# Altium PCB SmartHaloEE.PcbDoc (part 3 of 3) (continued)
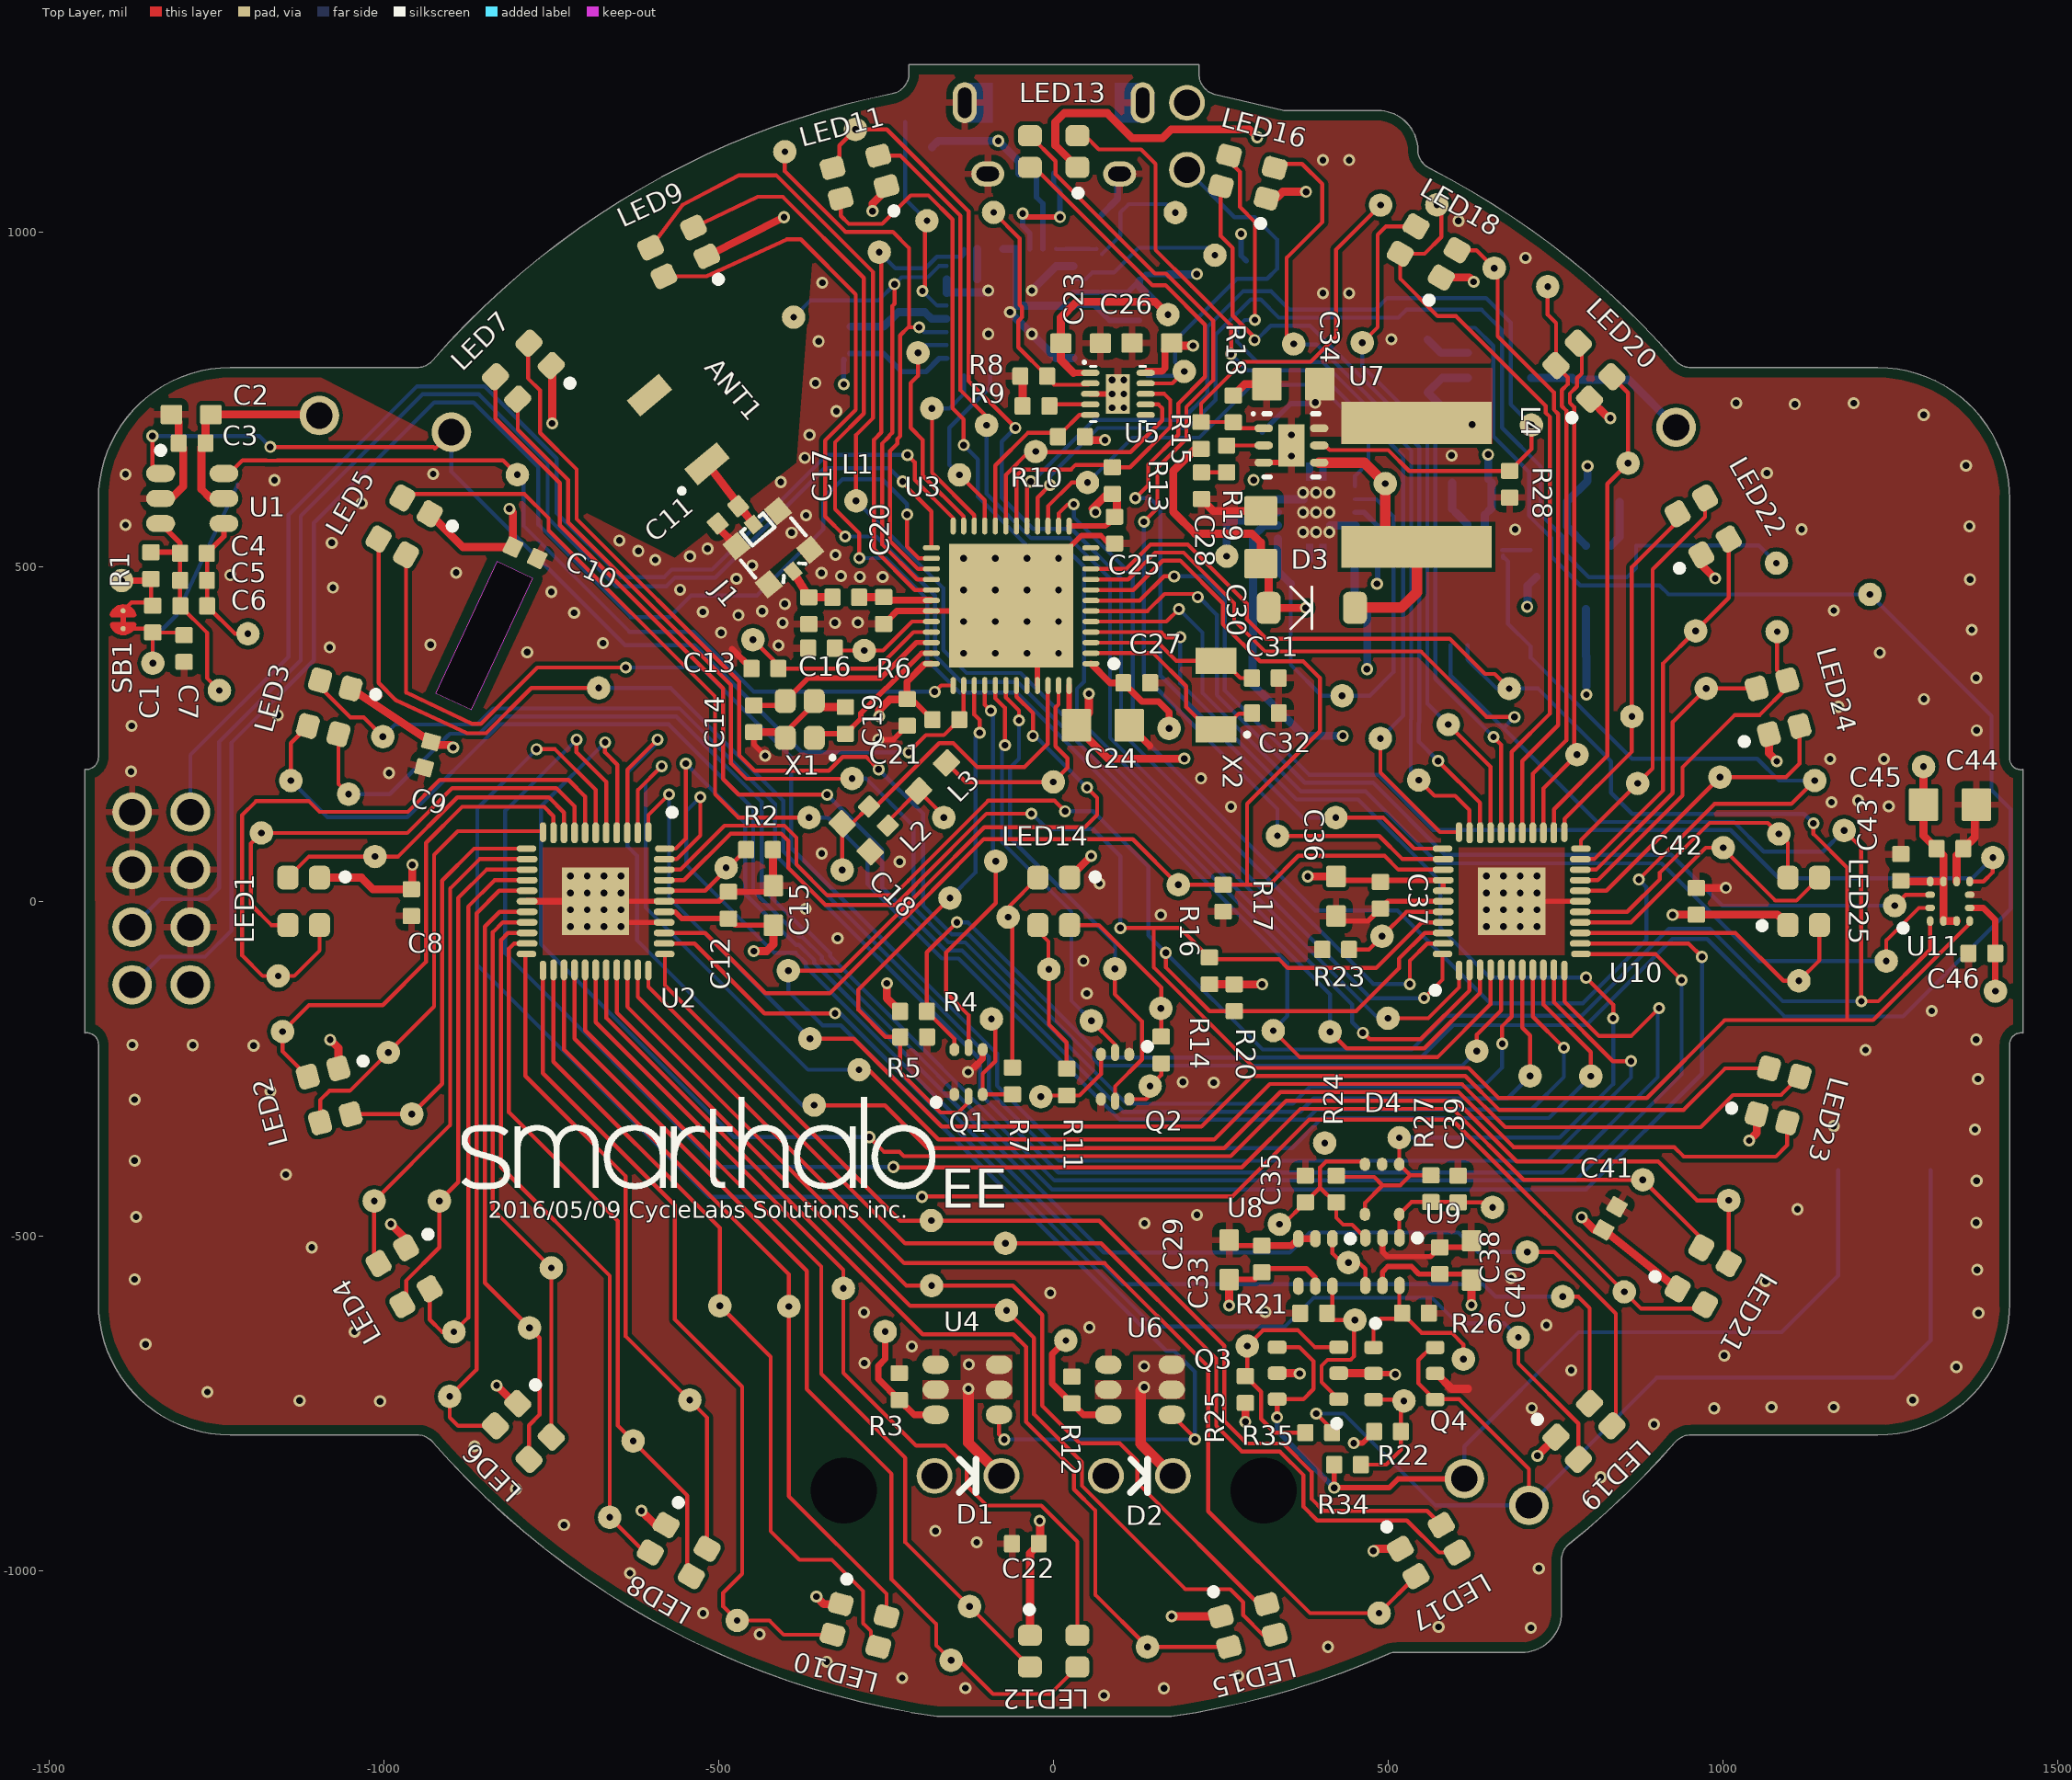
[diagram p0: Top Layer view]
## Nets (pads, with @x,y where several pads share a name; then routed paths per layer and width w, separated by ;. In a path a pad name is that pad's centre, name@x,y a point inside that pad or via, vN(x,y) a via of type N, cw(c..) or ccw(c..) an arc to the next point about the centre after c; other vN are vias at no path point) (continued)
  Power Plane w12: -855.8,644.2 -821.7,678.3 -784.68,678.3 v1(-749.04,713.94) ; v1(-402.7,1021.9) -330.3,1021.9
  Bottom Layer w12: C53.1@297.2,382.7 297.2,323.8 373.8,247.2 v1(431.9,247.2) ; C53.1@297.8,382.7 297.8,545.1 314.02,561.32 U15.2@334.93,561.32 ; U15.10@450.07,541.63 449.4,540.96 449.4,448.6 468.4,429.6 468.4,347.4 v1(467.8,346.8)
  other v1: -21,-925.6 722.5,-828.3 924.4,-20.4 -896.9,229.9
VUSB: C23.1 C56.1 C58.1 J5.1 R32.2 R36.2 TP90.1 U5.1 U16.19 | length 707.6
  Top Layer w10: 29.68,789.5 U5.1@54.66,789.5
  Top Layer w12: 29.68,789.5 10.8,808.38 C23.1@10.8,833.7 10.8,872.4 33.9,895.5 151.5,895.5 TP90.1@168.5,878.5
  Bottom Layer w8: U16.19@29.29,909.53 C58.1@66.51,909.66 ; C58.1@72.93,909.69 110.93,909.83 C56.1@127.9,926.8 137.4,936.3 R32.2@171.9,936.3
  Bottom Layer w12: R36.2@-181.6,1126.8 -172.4,1136 v1(-82.8,1136) -51.18,1104.38 J5.1@-51.18,1087.6 ; C56.1@127.9,926.8 127.9,919.1 TP90.1@168.5,878.5 ; R32.2@171.9,936.3 v1@213.1,936.3
  other v1: 213.7,936.9
W\A\K\E\U\P\: TP106.1 U3.27 U16.3 | length 849.2
  Top Layer w6: TP106.1@-401.5,1119.8 -401.5,1090.53 -310.87,999.9 -240.1,999.9 -215.9,975.7 -215.9,858.9 ; v1(-201.1,857.5) -217.3,857.5 -229.2,845.6 -229.2,694.8 -233.4,690.6 -233.4,683.7 -244.3,672.8 -244.3,538.13 -202.8,496.63 U3.27@-182.62,496.63
  Bottom Layer w6: v1(-201.1,857.5) -194.07,850.47 U16.3@-159.69,850.47
XC_N: C14.1 U3.34 X1.3 | length 294.8
  Top Layer w8: C14.1@-447.83,292.64 X1.3@-407.6,292.64 ; X1.3@-400.98,299.25 -366.74,333.5 -258.1,333.5 -204.95,386.65 U3.34@-182.62,386.65
XC_P: C19.1 U3.35 X1.1 | length 231.9
  Top Layer w8: X1.1@-357.68,244.13 -351.61,250.2 C19.1@-311.12,250.2 -288.12,273.2 -288.12,280.85 -250.37,318.6 -249.59,318.6 -197.54,370.65 U3.35@-182.62,370.65
XL_N: C31.2 U3.3 X2.2 | length 262.4
  Top Layer w6: U3.3@55.57,386.4 71.37,386.4 155.93,386.4 183.1,359.23 X2.2@242.57,359.23 253.17,359.23 279,333.4 C31.2@296,333.4
XL_P: C32.2 U3.2 X2.1 | length 312.3
  Top Layer w6: U3.2@55.57,370.65 67.32,370.65 148.75,370.65 197.86,321.54 197.86,290.14 231.13,256.87 X2.1@242.56,256.87 252.97,256.87 276.6,280.5 C32.2@292.6,280.5
pads on no net: ANT1.2 D4.2 J5.4 U3.44 U5.6 U8.4 U12.4 U13.4 U14.0 U14.5 U14.6 U16.11 U16.21 U16.22 U16.23 U16.25 U16.26 U16.27 U16.28 U16.29 U16.31

## Polygon pours and split planes (outlines as drawn)
NetD1_2 on Top Layer "NetD1_2 Top" (solid, remove dead copper, pour order 7): -195.7,-715.6 -195.7,-743.5 -195.6,-743.6 -61.5,-743.6 -61.5,-678.2 -61.6,-678.1 -61.8,-677.9 -138.5,-677.9 -138.5,-715.2 -139.2,-715.9 -139.5,-715.6 -195.7,-715.6
NetD2_2 on Top Layer "NetD2_2 Top" (solid, remove dead copper, pour order 9): 61.8,-715.7 61.8,-743.6 61.9,-743.7 196,-743.7 196,-678.3 195.9,-678.2 195.7,-678 119,-678 119,-715.3 118.3,-716 118,-715.7 61.8,-715.7
VBAT on Top Layer "Pour VBAT Top" (solid, remove dead copper, pour order 11): 382.9,694.1 430,694.1 430,683.5 655.4,683.5 655.4,654.3 655.4,725.2 655.4,796.2 654.8,796.8 375.4,796.8 375.4,727.7 382.9,727.7
GND on Top Layer "Top GND" (solid, remove dead copper, pour order 13): -1446.77,-196.85 -1426.77,-196.85 -1426.77,-600.39 ccw(c-1229.92,-600.39) -1229.92,-797.24 -936.66,-797.24 ccw(c0.4,0) 505.06,-1122.05 699.22,-1122.05 ccw(c699.22,-1062.99) 758.27,-1062.99 758.27,-969.18 ccw(c0.4,0) 937.46,-797.24 1230.71,-797.24 ccw(c1230.71,-600.39) 1427.56,-600.39 1427.56,-196.85 1447.56,-196.85 1447.56,196.85 1427.56,196.85 1427.56,600.39 ccw(c1230.71,600.39) 1230.71,797.24 937.46,797.24 ccw(c0.4,0) 543.71,1103.85 543.71,1122.05 ccw(c484.65,1122.05) 484.65,1181.1 344.89,1181.1 ccw(c0.4,0) 216.94,1211.11 216.93,1211.11 216.93,1250 -216.14,1250 -216.14,1211.11 ccw(c0.4,0) -936.66,797.24 -1229.92,797.24 ccw(c-1229.92,600.39) -1426.77,600.39 -1426.77,196.85 -1446.77,196.85
GND on Ground Plane "Ground Plane" (solid, remove dead copper, pour order 31): -1446.77,-196.85 -1426.77,-196.85 -1426.77,-600.39 ccw(c-1229.92,-600.39) -1229.92,-797.24 -936.66,-797.24 ccw(c0.4,0) 505.06,-1122.05 699.22,-1122.05 ccw(c699.22,-1062.99) 758.27,-1062.99 758.27,-969.18 ccw(c0.4,0) 937.46,-797.24 1230.71,-797.24 ccw(c1230.71,-600.39) 1427.56,-600.39 1427.56,-196.85 1447.56,-196.85 1447.56,196.85 1427.56,196.85 1427.56,600.39 ccw(c1230.71,600.39) 1230.71,797.24 937.46,797.24 ccw(c0.4,0) 543.71,1103.85 543.71,1122.05 ccw(c484.65,1122.05) 484.65,1181.1 344.89,1181.1 ccw(c0.4,0) 216.94,1211.11 216.93,1211.11 216.93,1250 -216.14,1250 -216.14,1211.11 ccw(c0.4,0) -936.66,797.24 -1229.92,797.24 ccw(c-1229.92,600.39) -1426.77,600.39 -1426.77,196.85 -1446.77,196.85
VBAT on Power Plane "Pour VBAT PowerPlane" (solid, remove dead copper, pour order 25): 257.5,1027.85 257.5,848 99.2,847.9 99.2,291.6 99.2,446.89 830,446.89 830,663.3 437.35,1027.85
VUSB on Power Plane "Pour VUSB PowerPlane" (solid, remove dead copper, pour order 23): -216.14,1250 216.94,1250 216.93,1205.87 243.5,1205.87 243.5,928.4 243.5,855.1 246.6,855.1 93.2,855.1 -112.1,855.1 -112.1,806.3 -112.1,855.1 -114,855.1 -240.9,855.1 -240.9,1205.87 -216.14,1205.87
VLED on Power Plane "Power Plane" (solid, remove dead copper, pour order 29): -1446.77,-196.85 -1426.77,-196.85 -1426.77,-600.39 ccw(c-1229.92,-600.39) -1229.92,-797.24 -936.66,-797.24 ccw(c0.4,0) 505.06,-1122.05 699.22,-1122.05 ccw(c699.22,-1062.99) 758.27,-1062.99 758.27,-969.18 ccw(c0.4,0) 937.46,-797.24 1230.71,-797.24 ccw(c1230.71,-600.39) 1427.56,-600.39 1427.56,-196.85 1447.56,-196.85 1447.56,196.85 1427.56,196.85 1427.56,600.39 ccw(c1230.71,600.39) 1230.71,797.24 937.46,797.24 ccw(c0.4,0) 543.71,1103.85 543.71,1122.05 ccw(c484.65,1122.05) 484.65,1181.1 344.89,1181.1 ccw(c0.4,0) 216.94,1211.11 216.93,1211.11 216.93,1250 -216.14,1250 -216.14,1211.11 ccw(c0.4,0) -936.66,797.24 -1229.92,797.24 ccw(c-1229.92,600.39) -1426.77,600.39 -1426.77,196.85 -1446.77,196.85
NetD2_2 on Bottom Layer "NetD2_2 Bot" (solid, remove dead copper, pour order 17): 61.8,-715.7 61.8,-743.6 61.9,-743.7 196,-743.7 196,-678.3 195.9,-678.2 195.7,-678 119,-678 119,-715.3 118.3,-716 118,-715.7 61.8,-715.7
NetD1_2 on Bottom Layer "NetD1_2 Bot" (solid, remove dead copper, pour order 15): -195.7,-715.6 -195.7,-743.5 -195.6,-743.6 -61.5,-743.6 -61.5,-678.2 -61.6,-678.1 -61.8,-677.9 -138.5,-677.9 -138.5,-715.2 -139.2,-715.9 -139.5,-715.6 -195.7,-715.6
GND on Bottom Layer "Bot GND" (solid, remove dead copper, pour order 21): -1446.77,-196.85 -1426.77,-196.85 -1426.77,-600.39 ccw(c-1229.92,-600.39) -1229.92,-797.24 -936.66,-797.24 ccw(c0.4,0) 505.06,-1122.05 699.22,-1122.05 ccw(c699.22,-1062.99) 758.27,-1062.99 758.27,-969.18 ccw(c0.4,0) 937.46,-797.24 1230.71,-797.24 ccw(c1230.71,-600.39) 1427.56,-600.39 1427.56,-196.85 1447.56,-196.85 1447.56,196.85 1427.56,196.85 1427.56,600.39 ccw(c1230.71,600.39) 1230.71,797.24 937.46,797.24 ccw(c0.4,0) 543.71,1103.85 543.71,1122.05 ccw(c484.65,1122.05) 484.65,1181.1 344.89,1181.1 ccw(c0.4,0) 216.94,1211.11 216.93,1211.11 216.93,1250 -216.14,1250 -216.14,1211.11 ccw(c0.4,0) -936.66,797.24 -1229.92,797.24 ccw(c-1229.92,600.39) -1426.77,600.39 -1426.77,196.85 -1446.77,196.85
VBAT on Bottom Layer "Pour VBAT Bot" (solid, remove dead copper, pour order 19): 351.7,615 141.4,615 141.4,680.9 190.4,680.9 284.3,680.9 284.3,740.2 351.5,740.2 352.28,715.9 332.9,715.9 332.9,676.9 332.9,645.9 352.28,645.9

## Keep-outs
Mechanical 3:
  circle w10: c0.4,0 r216.54
  circle w10: c0.4,0 r994.09
  circle w10: c0.4,0 r1230.32

## Other copper
Top Layer:
  pour cut-out: 582.61,103.35 582.61,102.3 582.61,-103.5 605.32,-103.5 605.32,103.35
  pour cut-out: 762.8,103.5 762.8,102.45 762.8,-103.35 785.5,-103.35 785.5,103.5
  pour cut-out: 785.36,103.2 784.31,103.2 578.51,103.2 578.51,80.5 785.36,80.5
  pour cut-out: 785.86,-80.44 784.81,-80.44 579.01,-80.44 579.01,-103.14 785.86,-103.14
  pour cut-out: -582.25,-80.44 -583.3,-80.44 -789.1,-80.44 -789.1,-103.14 -582.25,-103.14
  pour cut-out: -582.75,103.2 -583.8,103.2 -789.6,103.2 -789.6,80.5 -582.75,80.5
  pour cut-out: -605.31,103.5 -605.31,102.45 -605.31,-103.35 -582.61,-103.35 -582.61,103.5
  pour cut-out: -785.5,103.35 -785.5,102.3 -785.5,-103.5 -762.8,-103.5 -762.8,103.35
  pour cut-out: -1332.4,649.6 -1333.78,648.22 -1333.78,564.35 -1239.29,564.35 -1239.29,639.15 -1333.78,639.15
  pour cut-out: -592.02,526.8 -738.8,736.42 -529.18,883.2 -382.4,673.58
  pour cut-out: -566.1,513 -1124.2,797.34 cw(c1164.69,-2696.32) -341.17,1199.45 -384.1,655.2
Ground Plane:
  pour cut-out: -592.02,526.8 -738.8,736.42 -529.18,883.2 -382.4,673.58
  pour cut-out: -566.1,513 -1124.2,797.34 cw(c1164.69,-2696.32) -341.17,1199.45 -384.1,655.2
Power Plane:
  pour cut-out: -592.02,526.8 -738.8,736.42 -529.18,883.2 -382.4,673.58
  pour cut-out: -566.1,513 -1124.2,797.34 cw(c1164.69,-2696.32) -341.17,1199.45 -384.1,655.2
Bottom Layer:
  pour cut-out: -157.8,974.5 -157.8,781 34.3,781 35.2,781.9 35.2,974.5 -157.39,974.5 -157.4,974.49 -157.7,974.49
  pour cut-out: -592.02,526.8 -738.8,736.42 -529.18,883.2 -382.4,673.58
  pour cut-out: -566.1,513 -1124.2,797.34 cw(c1164.69,-2696.32) -341.17,1199.45 -384.1,655.2

## Silkscreen, mask and mechanical layers (free items; w line width, h text height)
Top Overlay:
  drawing of 4068 lines, arcs and shapes, not listed
  text "2016/05/09 CycleLabs Solutions inc." at -844.8,-473.4 h25
  text "EE" at -169,-477.2 h100
Outline:
  lines w10: -1447.06,197.07 ccw(c-1444.87,215.13) -1426.68,215.13 -1426.68,600.44 cw(c-1229.88,600.54) -1229.88,797.34 -950.88,797.34 ccw(c-950.88,828.34) -927.5,807.99 cw(c0.42,0.14) -241,1206.52 ccw(c-247.08,1236.92) -216.08,1236.92 -216.08,1250.04 217.02,1250.04 217.02,1235.71 ccw(c248.02,1235.71) 240.94,1205.53 341.42,1181.96 ccw(c348.5,1212.14) 348.5,1181.14 484.72,1181.14 cw(c484.82,1122.14) 543.82,1122.14 543.82,1123.04 ccw(c574.82,1123.04) 560.7,1095.44 cw(c0.62,0.24) 928.35,807.99 ccw(c951.73,828.34) 951.73,797.34 1230.82,797.34 cw(c1230.77,600.49) 1427.62,600.44 1427.62,213.56 ccw(c1444.49,213.56) 1447.42,196.95 ; -1446.96,-196.58 -1446.96,197.12 ; -1446.88,-196.83 cw(c-1443.89,-213.78) -1426.68,-213.78 -1426.68,-600.26 ccw(c-1229.83,-600.31) -1229.88,-797.16 -950.8,-797.16 cw(c-950.8,-828.16) -927.42,-807.8 ccw(c0.45,0.03) -174.53,-1217.72 175.47,-1217.72 ccw(c0.45,0.03) 499.16,-1124.62 cw(c511.72,-1152.96) 511.72,-1121.96 699.32,-1121.96 ccw(c699.32,-1062.96) 758.32,-1062.86 758.32,-984.05 cw(c789.32,-984.05) 769.93,-959.87 ccw(c0.62,-0.06) 928.31,-807.8 cw(c951.69,-828.16) 951.69,-797.16 1230.82,-797.16 ccw(c1230.82,-600.36) 1427.62,-600.26 1427.62,-213.76 cw(c1444.81,-213.76) 1447.79,-196.83 ; 1447.62,-196.83 1447.62,196.95 ; -914.76,329.11 ccw(c-896.92,320.79) -905.21,302.94 -887.31,294.62 ccw(c-879.02,312.48) -861.18,304.16 -786.3,464.7 ccw(c-804.14,473.02) -795.82,490.86 -813.74,499.22 ccw(c-822.06,481.38) -839.9,489.7 -914.76,329.11
Mechanical 2:
  lines w10: -2805.98,-2755.98 -958.83,-2755.98
Mechanical 3:
  circle w3.94: c-313.26,-880.23 r49.21
  circle w3.94: c314.05,-880.23 r49.21
  circle w0.5: c-77.55,-858.39 r19.68
  circle w0.5: c178.35,-858.39 r19.68
  circle w0.5: c78.35,-858.39 r19.68
  circle w0.5: c-177.55,-858.39 r19.68
  circle w10: c0.4,0 r62.01
  circle w3.94: c290.3,-1081.91 r62.01
  circle w3.94: c-559.64,970.02 r62.01
  circle w3.94: c-791.62,792.02 r62.01
  circle w3.94: c-559.64,-970.02 r62.01
  circle w3.94: c-791.62,-792.02 r62.01
  circle w3.94: c-969.62,-560.04 r62.01
  circle w3.94: c-1081.51,-289.9 r62.01
  circle w3.94: c0.4,-1120.08 r62.01
  circle w3.94: c-286.2,-1100.9 r62.01
  circle w3.94: c-1081.51,289.9 r62.01
  circle w3.94: c-969.62,560.04 r62.01
  circle w3.94: c-1119.68,0 r62.01
  circle w3.94: c560.44,-970.02 r62.01
  circle w3.94: c-289.5,1081.91 r62.01
  circle w3.94: c0.4,1120.08 r62.01
  circle w3.94: c290.3,1081.91 r62.01
  circle w3.94: c560.44,970.02 r62.01
  circle w3.94: c792.41,792.02 r62.01
  circle w3.94: c970.42,560.04 r62.01
  circle w3.94: c1082.31,289.9 r62.01
  circle w3.94: c1120.48,0 r62.01
  circle w3.94: c1082.31,-289.9 r62.01
  circle w3.94: c792.41,-792.02 r62.01
  circle w3.94: c970.42,-560.04 r62.01
  circle w3.94: c-77.97,-858.39 r19.68
  circle w3.94: c177.93,-858.39 r19.68
  circle w3.94: c77.93,-858.39 r19.68
  circle w3.94: c-177.97,-858.39 r19.68
  lines w10: -1064.23,247.47 -973.58,205.25 ; -1036.41,212.45 -973.58,205.25 ; -1019.53,248.71 -973.58,205.25 ; -977.8,196.19 -969.36,214.32 ; -924.22,171.23 -915.78,189.37 ; -914.76,329.11 -973.58,205.25 ; -896.62,302.39 -763.2,239.29 ; -874.05,136.84 -920,180.3 ; -861.18,304.16 -920,180.3 ; -857.17,173.1 -920,180.3 ; -829.35,138.09 -920,180.3 ; -806,495.6 -669.54,431.06 ; -798.31,189.8 -754.14,235.07 ; -797.75,145.08 -754.14,235.07 ; -763.14,239.43 -745.14,230.7 ; -762.31,172.35 -754.14,235.07 ; -671.33,428.84 -653.34,420.11 ; -654.16,487.19 -662.34,424.48 ; -618.72,514.46 -662.34,424.48 ; -618.17,469.75 -662.34,424.48 ; -427.41,4146.16 -427.41,4217.03 -269.93,4217.03 -269.93,4146.16 ; 692.66,4146.16 692.66,4217.03 850.14,4217.03 850.14,4146.16 ; 1716.29,4496.56 1716.29,4535.93 ; 1812.74,4146.16 1812.74,4217.03 1970.22,4217.03 1970.22,4146.16 ; -458.91,4146.16 -458.91,3970.97 2001.72,3970.97 2001.72,4146.16 ; -458.91,4146.16 2001.72,4146.16 ; -458.91,4146.16 -458.91,4496.56 2001.72,4496.56 2001.72,4146.16 ; 1716.29,4535.93 -173.48,4535.93 -458.91,4535.93 -458.91,4711.13 2001.72,4711.13 2001.72,4535.93 1716.29,4535.93
  text "All dimensions in mm unless otherwise noted" at 566,1601.5 h60
  text "BACK" at -136.81,1308.07 h78.74
  text "59.105mil" at -1225.97,163.98 h60 r335.03
  text "210.486mil" at -696.85,23.19 h60 r64.14
  text "LEFT" at 1506.89,-33.46 h78.74
  text "RIGHT (LOCK)" at -2200.79,-34.45 h78.74
  text "FRONT" at -138.78,-1360.24 h78.74
Mechanical 4:
  circle w3.94: c314.08,-880.33 r49.21
  circle w3.94: c-313.23,-880.33 r49.21
  circle w3.94: c-77.53,-858.49 r19.68
  circle w3.94: c178.38,-858.49 r19.68
  circle w3.94: c78.38,-858.49 r19.68
  circle w3.94: c-177.53,-858.49 r19.68
  lines w3.94: -1251.97,486.16 -1243.31,504.71 -1207.63,488.07 -1216.28,469.52 ; -1177.09,646.72 -1185.74,628.17 -1150.06,611.53 -1141.41,630.09 ; -1097.72,-561.54 -911.42,-561.54 ; -1257.45,525.64 -1271.59,495.31 -1157.41,442.07 -1082.54,602.63 -1196.72,655.87 -1210.86,625.55 ; -1257.45,525.64 -1278.86,535.62 -1273.86,546.33 -1252.46,536.34 ; -1257.45,525.64 -1246.74,520.65 -1241.75,531.35 -1252.46,536.34 ; -1252.46,536.34 -1249.13,543.48 ; -1249.13,543.48 -1270.54,553.46 -1265.55,564.17 -1244.14,554.18 ; -1249.13,543.48 -1238.42,538.49 -1233.43,549.19 -1244.14,554.18 ; -1244.14,554.18 -1240.81,561.32 ; -1240.81,561.32 -1262.22,571.3 -1257.23,582.01 -1235.82,572.02 ; -1240.81,561.32 -1230.1,556.33 -1225.11,567.03 -1235.82,572.02 ; -1235.82,572.02 -1232.49,579.16 ; -1232.49,579.16 -1253.9,589.14 -1248.91,599.85 -1227.5,589.86 ; -1232.49,579.16 -1221.79,574.17 -1216.79,584.87 -1227.5,589.86 ; -1227.5,589.86 -1224.17,597 ; -1224.17,597 -1245.58,606.98 -1240.59,617.69 -1219.18,607.71 ; -1224.17,597 -1213.47,592.01 -1208.47,602.71 -1219.18,607.71 ; -1219.18,607.71 -1215.85,614.84 ; -1215.85,614.84 -1237.26,624.82 -1232.27,635.53 -1210.86,625.55 ; -1215.85,614.84 -1205.15,609.85 -1200.16,620.55 -1210.86,625.55 ; -1002.09,-759.06 1438.86,-759.06 1438.86,914.17 -1002.09,914.17 -1002.09,-759.06 ; -145.25,1082.58 146.09,1082.58 146.09,1249.9 -145.25,1249.9 -145.25,1082.58 ; 270.11,944.78 305.54,944.78 305.54,968.4 270.11,968.4 270.11,944.78 ; 270.11,995.96 305.54,995.96 305.54,1019.58 270.11,1019.58 270.11,995.96 ; 270.11,1047.14 305.54,1047.14 305.54,1070.77 270.11,1070.77 270.11,1047.14 ; 378.38,893.6 464.99,893.6 464.99,923.13 378.38,923.13 378.38,893.6 ; 378.38,1092.42 464.99,1092.42 464.99,1121.95 378.38,1121.95 378.38,1092.42 ; 1128.35,-606.3 1214.97,-606.3 1214.97,-511.81 1128.35,-511.81 1128.35,-606.3 ; 1128.35,-448.82 1214.97,-448.82 1214.97,-354.33 1128.35,-354.33 1128.35,-448.82 ; 1266.15,-606.3 1352.76,-606.3 1352.76,-511.81 1266.15,-511.81 1266.15,-606.3 ; 1266.15,-448.82 1352.76,-448.82 1352.76,-354.33 1266.15,-354.33 1266.15,-448.82
  lines w10: -1551.43,4146.16 -456.94,4146.16 ; -1549.46,4536.91 -456.94,4536.91 ; -785.2,1570.4 -357.1,602.7 ; -637.06,4254.43 -459.89,4254.43 ; -634.11,4020.18 -463.83,4020.18 ; -620.33,4413.88 -173.48,4514.28 ; -611.47,4711.13 -175.45,4599.91 ; -481.7,644.8 -213,481.2 ; -416.5,646.1 -357.1,602.7 ; -362.11,4120.77 -362.08,3935.25 -296.14,3857.66 2072.47,3857.66 2266.48,4051.68 ; -344.3,672.6 -350.7,640.8 -357.1,602.7 ; -110.49,3999.51 113.92,4789.87 ; 878.69,4181.6 2182.82,4105.81 ; 1716.29,4515.26 2078.49,4514.28 ; 1991.88,4176.68 2179.87,4128.45
  text "ASSEMBLY DRAWING (NOT TO SCALE)" at -203.01,5102.86 h78.74
  text "FPC CONNECTOR" at -307.34,4831.2 h78.74
  text "1.5mm" at -991.39,4687.5 h78.74
  text "POLYCARBONATE LENS" at 173.96,4577.27 h78.74
  text "FLEX (ELECTRODE)" at 2096.21,4470.97 h78.74
  text "0.1778mm" at -1198.08,4388.29 h78.74
  text "3.35mm" at -1742.38,4314.47 h78.74
  text "OPTICAL LENS" at 377.7,4281.01 h78.74
  text "3.348mm" at -1151.82,4230.81 h78.74
  text "LEDS" at 2217.27,4095.97 h78.74
  text "MAIN PCB" at 448.57,4020.18 h78.74
  text "1.7272mm" at -1260.09,3995.57 h78.74
  text "CPWG Transmission line. / Impedance must be controlled to  / 50 Ohm (12.38 mils width)" at -2111.1,1599.4 h60
  text "BATTERY" at -1480.2,-749.8 h78.74 r90
  text "No changes to materials and/or gerber files are permitted without written approval from Smart Halo. /   / 1.       Board spec. /          a.       Board shall be manufactured to meet all spec. defined under the latest revision of IPC-6012 class 2 & IPC-A-600 class 2. / 2.       Material /          a.       See PCB requirement spec PDF /          b.      Material must be lead free compliant per IPC-4101A/24 or /26. /          c.       Maximum thickness 0.062¨ +/- 0.006¨ measured over solder mask /          d.      Outer layers copper foil (    )1/2 OZ./SQ.FT OR (X)1 OZ./SQ.FT OR (    )2 OZ./SQ.FT. /          e.      Inner layers copper foil (    )1/2 OZ./SQ.FT OR ( X)1 OZ./SQ.FT OR (    )2 OZ./SQ.FT. /          f.        Boards rated & identified to UL 94V0. / 3.       Gerber files /          a.       Supplied gerber files must not be modified by manufacturer without prior permission from Smart Halo. /          b.      Copper addition is not permitted on any layers unless otherwise specified. /          c.       Copper addition in breakaway areas for panel forms is acceptable. /          d.      Manufacturing logo, UL and date code must be added as specified on panel from mechanical drawing. /          e.      Gerber traces, components pads & vias pads widths are finished widths. Finished width accuracy on inner layers +/- 0.001¨. / 4.       Plated Holes /          a.       Plated thru holes, unless otherwise specified, are sizes show after plating. Wall thickness of plated thru holes shall be 0.001¨, min etch back or smear removals shall be 0.0002¨ min and 0.003¨max. / 5.       Solder mask /          a.       Apply photo imageable solder mask as per specification IPC-SM-840 to both sides of PWB over bare copper, WHITE, Taiyo PSR-4000 WT05 /          b.      Solder mask thickness: 0.0007¨min.  /  0.001¨ max. /          c.       Solder mask registration: +/- 0.002¨ /          d.      In order to avoid oversizing of components pads being part of copper plane or vias, solder mask must not be modified. Solder mask compensation already applied in gerber files in order to meet registration value. /          e.      Soldermask :  no soldermask opening should be more then 3 mils expansion from the pad size. For BGA, LGA and QFN or QFP Fine Pitch,  max 2 mils expansion.  / 6.       Finish /          a.       RoHS compliant (EU directive 2002/95/EC) 2-10 uIN immersion Gold over 50-200 uIN Electroless Nickel (ENIG). /          b.      No exposed copper. / 7.       Silkscreen /          a.       Apply silkscreen to top & bottom side of PWB using non conductive BLACK epoxy based ink. /          b.      Cut silkscreen using solder mask clearance. / 8.       Electrical test /          a.       100% electrical testing required. / 9.       Vias /          a.       All via diameter to be within tolerance specified in point 3. / 10.   Stackup /          a.       Material as per stackup drawing. See PCB requirement spec PDF" at 4135.3,-1871.7 h78.74
Mechanical 5:
  circle w10: c-0.02,-0.01 r944.88
  circle w10: c-0.02,-0.01 r472.44
  lines w10: -1153.76,442.87 cw(c-0.02,-0.01) -1080.9,599.13 ; -41.77,3916.63 cw(c-41.77,3881) -16.58,3906.19 ccw(c0.88,3971.36) 68.35,3971.36 68.35,4488.88 cw(c76.23,4488.88) 76.23,4496.76 1716.39,4496.76 1716.39,4536.13 76.23,4536.13 ; 28.98,3971.36 28.98,4489.08 cw(c76.23,4489.08) 76.23,4536.33 ; 28.98,3973.09 cw(c0.26,3973.09) -20.05,3952.77 ccw(c-45.25,3927.58) -45.25,3963.21 ; -45.25,3963.21 -220.44,3963.21 -220.44,3892.74 -45.25,3892.74 -45.25,3963.21
  text "TOUCH ELECTRODE" at -475.39,607.28 h78.74
Mechanical 6:
  lines w10: -1446.77,-196.85 -1426.77,-196.85 -1426.77,-600.39 ccw(c-1229.92,-600.39) -1229.92,-797.24 -936.66,-797.24 ccw(c0.4,0) 505.06,-1122.05 699.22,-1122.05 ccw(c699.22,-1062.99) 758.27,-1062.99 758.27,-969.18 ccw(c0.4,0) 937.46,-797.24 1230.71,-797.24 ccw(c1230.71,-600.39) 1427.56,-600.39 1427.57,-196.85 1447.57,-196.85 1447.57,196.85 1427.57,196.85 1427.57,600.39 ccw(c1230.71,600.39) 1230.71,797.24 937.46,797.24 ccw(c0.4,0) 543.71,1103.85 543.71,1122.05 ccw(c484.65,1122.05) 484.65,1181.1 344.89,1181.1 ccw(c0.4,0) 216.93,1211.11 216.93,1250 -216.14,1250 -216.14,1211.11 ccw(c0.4,0) -936.66,797.24 -1229.92,797.24 ccw(c-1229.92,600.39) -1426.77,600.39 -1426.77,196.85 -1446.77,196.85 -1446.77,-196.85 ; -923.11,311.18 -831.6,507.43 -778.08,482.47 -869.59,286.22 -923.11,311.18
Drill Drawing:
  circle w10: c-2377.37,2782.23 r33.33
  lines w10: -2410.7,2598.9 -2344.03,2598.9 -2344.03,2665.57 -2410.7,2665.57 -2410.7,2598.9 ; -2410.7,2915.57 -2394.03,2915.57 -2394.03,2898.9 -2360.7,2898.9 -2360.7,2915.57 -2344.03,2915.57 -2344.03,2948.9 -2360.7,2948.9 -2360.7,2965.57 -2394.03,2965.57 -2394.03,2948.9 -2410.7,2948.9 -2410.7,2915.57 ; -2410.7,3115.57 -2344.03,3115.57 -2377.37,3048.9 -2410.7,3115.57 ; -2410.7,3215.57 -2394.03,3215.57 -2377.37,3198.9 -2360.7,3215.57 -2344.03,3215.57 -2360.7,3232.23 -2344.03,3248.9 -2360.7,3248.9 -2377.37,3265.57 -2394.03,3248.9 -2410.7,3248.9 -2394.03,3232.23 -2410.7,3215.57
  lines w15: -2470.49,2553.9 3731.8,2553.9 ; -2470.49,3303.9 3731.8,3303.9 ; -1919.61,2403.9 -1919.61,3453.9 ; -1319.77,2403.9 -1319.77,3453.9 ; -220.09,2403.9 -220.09,3453.9 ; 285.78,2403.9 285.78,3453.9 ; 1019.58,2403.9 1019.58,3453.9 ; 2353.19,2403.9 2353.19,3453.9 ; -2470.49,2403.9 3731.8,2403.9 3731.8,3453.9 -2470.49,3453.9 -2470.49,2403.9
  text "Symbol" at -2380.49,3348.9 h72
  text "Count" at -1874.61,3348.9 h72
  text "Hole Size" at -1274.77,3348.9 h72
  text "Plated" at -175.09,3348.9 h72
  text "Hole Type" at 330.78,3348.9 h72
  text "Hole Tolerance (+)" at 1064.58,3348.9 h72
  text "Hole Tolerance (-)" at 2398.19,3348.9 h72
  text "2" at -1874.61,3198.9 h60
  text "0.500mm (19.69mil)" at -1274.77,3198.9 h60
  text "NPTH" at -175.09,3198.9 h60
  text "Slot" at 330.78,3198.9 h60
  text "2" at -1874.61,3048.9 h60
  text "0.550mm (21.65mil)" at -1274.77,3048.9 h60
  text "NPTH" at -175.09,3048.9 h60
  text "Slot" at 330.78,3048.9 h60
  text "2" at -1874.61,2898.9 h60
  text "2.500mm (98.43mil)" at -1274.77,2898.9 h60
  text "NPTH" at -175.09,2898.9 h60
  text "Round" at 330.78,2898.9 h60
  text "19" at -1874.61,2748.9 h60
  text "1.000mm (39.37mil)" at -1274.77,2748.9 h60
  text "PTH" at -175.09,2748.9 h60
  text "Round" at 330.78,2748.9 h60
  text "504" at -1874.61,2598.9 h60
  text "0.254mm (10.00mil)" at -1274.77,2598.9 h60
  text "PTH" at -175.09,2598.9 h60
  text "Round" at 330.78,2598.9 h60
  text "529 Total" at -1874.61,2448.9 h60
  text "Slot definitions :" at -2380.49,2303.93 h60
  text "Routed Path Length" at -1347.8,2303.93 h60
  text "= Calculated from tool start centre position to tool end centre position." at -245.13,2303.93 h60
  text "Hole Length" at -1347.8,2203.95 h60
  text "= Routed Path Length + Tool Size = Slot length as defined in the PCB layout" at -655,2203.95 h60

## Dimensions
-174.53,-1217.72 to 175.47,-1217.72 on Mechanical 3
1444.49,213.56 to 1444.49,213.56 on Mechanical 3
1447.62,196.95 to 1447.62,-196.83 on Mechanical 3
951.73,797.34 to 1230.82,797.34 on Mechanical 3
0.42,0.14 to -1028.7,1057.2 on Mechanical 3
-822.06,481.38 to -933.91,593.23 on Mechanical 3
-1229.88,600.54 to -1519,852.8 on Mechanical 3
699.32,-1062.96 to 1187.5,-1142.4 on Mechanical 3
1230.77,600.49 to 1565.9,880.8 on Mechanical 3
484.82,1122.14 to 707.8,1281 on Mechanical 3
248.02,1235.71 to -74.3,913.4 on Mechanical 3
-216.08,1250.04 to 217.02,1250.04 on Mechanical 3